# Altium PCB Quad-Stage-Prototype_V1.0.PcbDoc (part 1 of 3) (continued)
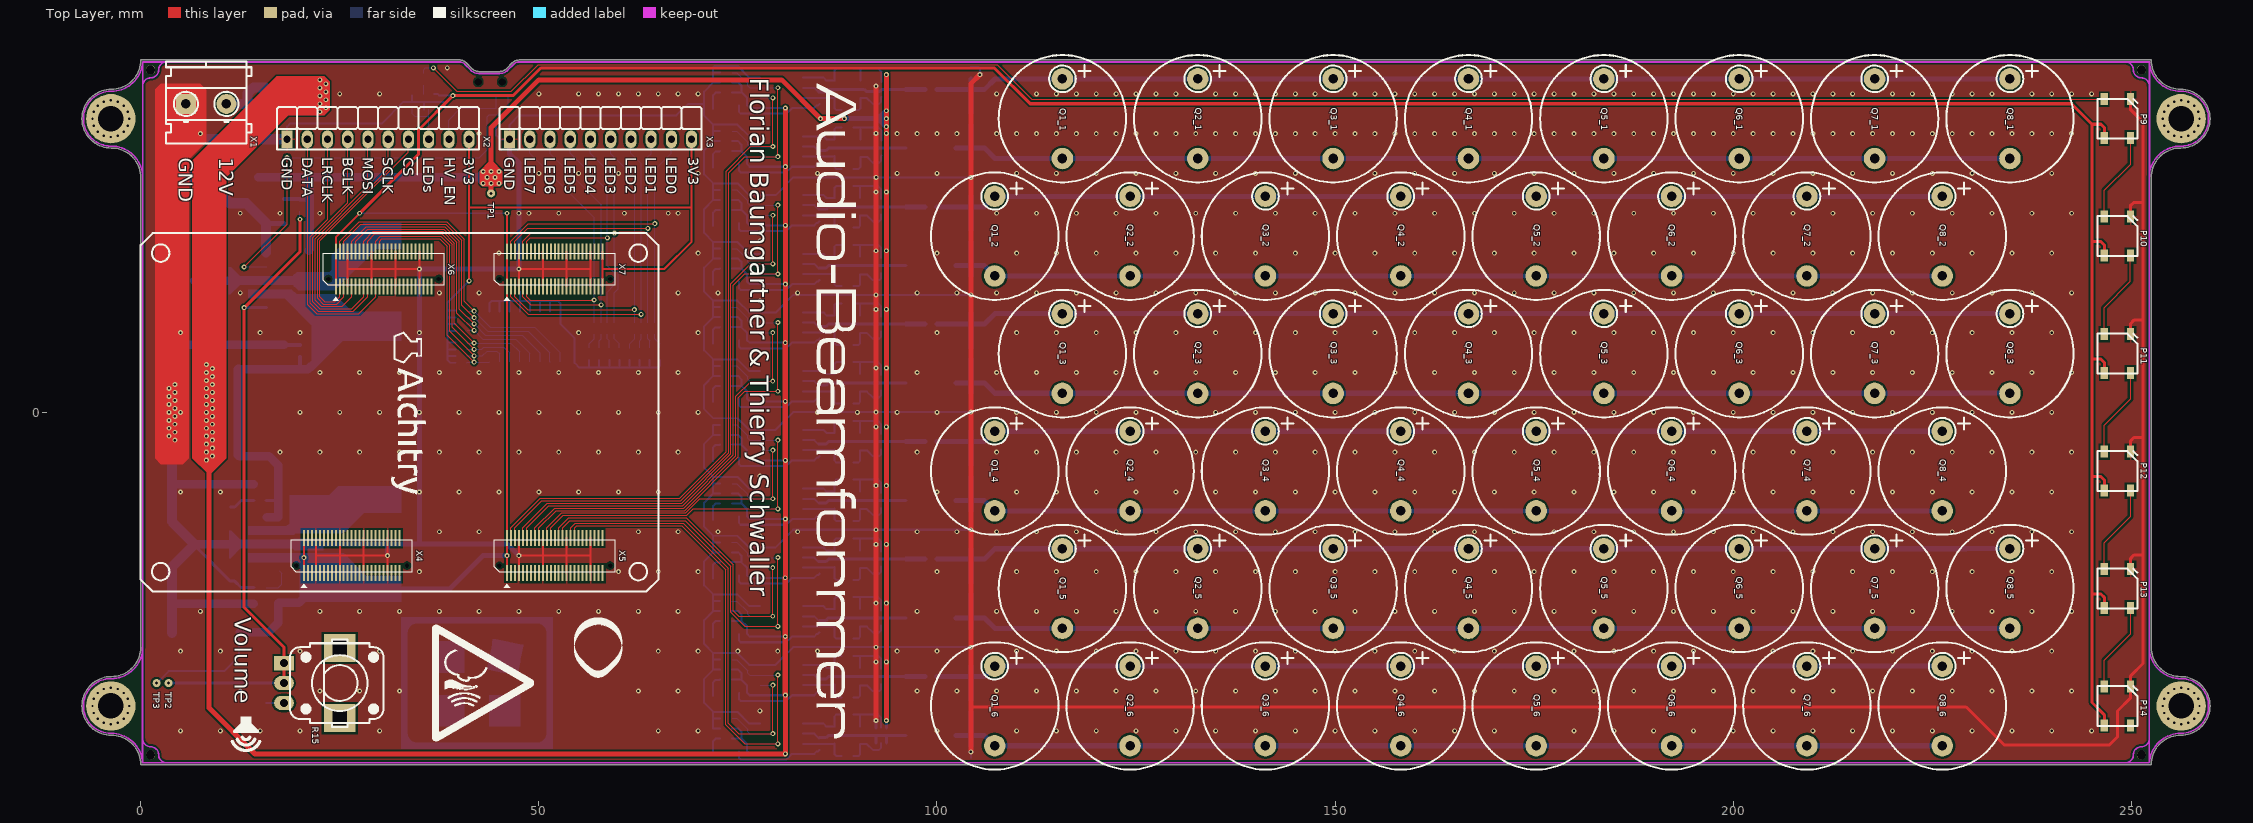
[diagram p0: Top Layer view]
## Components (designator, comment, footprint, x,y, rotation, side; value= is the part's Value field where it differs from the comment) (continued)
P14 "WS2812B" "SMD LED WS2812B-5050" 248.25,-36.875 r90 top
Q1_1 "MA40A16" "THT Transducer (MA40A16)" 115.75,36.875 r270 top locked (schematic designator Q1)
Q1_2 "MA40A16" "THT Transducer (MA40A16)" 107.25,22.125 r270 top locked (schematic designator Q1)
Q1_3 "MA40A16" "THT Transducer (MA40A16)" 115.75,7.375 r270 top locked (schematic designator Q1)
Q1_4 "MA40A16" "THT Transducer (MA40A16)" 107.25,-7.375 r270 top locked (schematic designator Q1)
Q1_5 "MA40A16" "THT Transducer (MA40A16)" 115.75,-22.125 r270 top locked (schematic designator Q1)
Q1_6 "MA40A16" "THT Transducer (MA40A16)" 107.25,-36.875 r270 top locked (schematic designator Q1)
Q2_1 "MA40A16" "THT Transducer (MA40A16)" 132.75,36.875 r270 top locked (schematic designator Q2)
Q2_2 "MA40A16" "THT Transducer (MA40A16)" 124.25,22.125 r270 top locked (schematic designator Q2)
Q2_3 "MA40A16" "THT Transducer (MA40A16)" 132.75,7.375 r270 top locked (schematic designator Q2)
Q2_4 "MA40A16" "THT Transducer (MA40A16)" 124.25,-7.375 r270 top locked (schematic designator Q2)
Q2_5 "MA40A16" "THT Transducer (MA40A16)" 132.75,-22.125 r270 top locked (schematic designator Q2)
Q2_6 "MA40A16" "THT Transducer (MA40A16)" 124.25,-36.875 r270 top locked (schematic designator Q2)
Q3_1 "MA40A16" "THT Transducer (MA40A16)" 149.75,36.875 r270 top locked (schematic designator Q3)
Q3_2 "MA40A16" "THT Transducer (MA40A16)" 141.25,22.125 r270 top locked (schematic designator Q3)
Q3_3 "MA40A16" "THT Transducer (MA40A16)" 149.75,7.375 r270 top locked (schematic designator Q3)
Q3_4 "MA40A16" "THT Transducer (MA40A16)" 141.25,-7.375 r270 top locked (schematic designator Q3)
Q3_5 "MA40A16" "THT Transducer (MA40A16)" 149.75,-22.125 r270 top locked (schematic designator Q3)
Q3_6 "MA40A16" "THT Transducer (MA40A16)" 141.25,-36.875 r270 top locked (schematic designator Q3)
Q4_1 "MA40A16" "THT Transducer (MA40A16)" 166.75,36.875 r270 top locked (schematic designator Q4)
Q4_2 "MA40A16" "THT Transducer (MA40A16)" 158.25,22.125 r270 top locked (schematic designator Q4)
Q4_3 "MA40A16" "THT Transducer (MA40A16)" 166.75,7.375 r270 top locked (schematic designator Q4)
Q4_4 "MA40A16" "THT Transducer (MA40A16)" 158.25,-7.375 r270 top locked (schematic designator Q4)
Q4_5 "MA40A16" "THT Transducer (MA40A16)" 166.75,-22.125 r270 top locked (schematic designator Q4)
Q4_6 "MA40A16" "THT Transducer (MA40A16)" 158.25,-36.875 r270 top locked (schematic designator Q4)
Q5_1 "MA40A16" "THT Transducer (MA40A16)" 183.75,36.875 r270 top locked (schematic designator Q5)
Q5_2 "MA40A16" "THT Transducer (MA40A16)" 175.25,22.125 r270 top locked (schematic designator Q5)
Q5_3 "MA40A16" "THT Transducer (MA40A16)" 183.75,7.375 r270 top locked (schematic designator Q5)
Q5_4 "MA40A16" "THT Transducer (MA40A16)" 175.25,-7.375 r270 top locked (schematic designator Q5)
Q5_5 "MA40A16" "THT Transducer (MA40A16)" 183.75,-22.125 r270 top locked (schematic designator Q5)
Q5_6 "MA40A16" "THT Transducer (MA40A16)" 175.25,-36.875 r270 top locked (schematic designator Q5)
Q6_1 "MA40A16" "THT Transducer (MA40A16)" 200.75,36.875 r270 top locked (schematic designator Q6)
Q6_2 "MA40A16" "THT Transducer (MA40A16)" 192.25,22.125 r270 top locked (schematic designator Q6)
Q6_3 "MA40A16" "THT Transducer (MA40A16)" 200.75,7.375 r270 top locked (schematic designator Q6)
Q6_4 "MA40A16" "THT Transducer (MA40A16)" 192.25,-7.375 r270 top locked (schematic designator Q6)
Q6_5 "MA40A16" "THT Transducer (MA40A16)" 200.75,-22.125 r270 top locked (schematic designator Q6)
Q6_6 "MA40A16" "THT Transducer (MA40A16)" 192.25,-36.875 r270 top locked (schematic designator Q6)
Q7_1 "MA40A16" "THT Transducer (MA40A16)" 217.75,36.875 r270 top locked (schematic designator Q7)
Q7_2 "MA40A16" "THT Transducer (MA40A16)" 209.25,22.125 r270 top locked (schematic designator Q7)
Q7_3 "MA40A16" "THT Transducer (MA40A16)" 217.75,7.375 r270 top locked (schematic designator Q7)
Q7_4 "MA40A16" "THT Transducer (MA40A16)" 209.25,-7.375 r270 top locked (schematic designator Q7)
Q7_5 "MA40A16" "THT Transducer (MA40A16)" 217.75,-22.125 r270 top locked (schematic designator Q7)
Q7_6 "MA40A16" "THT Transducer (MA40A16)" 209.25,-36.875 r270 top locked (schematic designator Q7)
Q8_1 "MA40A16" "THT Transducer (MA40A16)" 234.75,36.875 r270 top locked (schematic designator Q8)
Q8_2 "MA40A16" "THT Transducer (MA40A16)" 226.25,22.125 r270 top locked (schematic designator Q8)
Q8_3 "MA40A16" "THT Transducer (MA40A16)" 234.75,7.375 r270 top locked (schematic designator Q8)
Q8_4 "MA40A16" "THT Transducer (MA40A16)" 226.25,-7.375 r270 top locked (schematic designator Q8)
Q8_5 "MA40A16" "THT Transducer (MA40A16)" 234.75,-22.125 r270 top locked (schematic designator Q8)
Q8_6 "MA40A16" "THT Transducer (MA40A16)" 226.25,-36.875 r270 top locked (schematic designator Q8)
R1 "10k" "SMD Widerstand Array 4-Fach 0603" 40.25,7.5 r270 bottom
R2 "10k" "SMD Widerstand Array 4-Fach 0603" 40.25,11.5 r270 bottom
R3 "330" "SMD Widerstand Array 4-Fach 0603" 63.29,10.525 r180 bottom
R4 "330" "SMD Widerstand Array 4-Fach 0603" 58.21,10.525 r180 bottom
R5_1 "10" "SMD Widerstand 0603" 73.503,32.796 r0 bottom (schematic designator R5)
R5_2 "10" "SMD Widerstand 0603" 73.5,18.051 r0 bottom (schematic designator R5)
R5_3 "10" "SMD Widerstand 0603" 73.496,3.321 r0 bottom (schematic designator R5)
R5_4 "10" "SMD Widerstand 0603" 73.5,-11.449 r0 bottom (schematic designator R5)
R5_5 "10" "SMD Widerstand 0603" 73.496,-26.204 r0 bottom (schematic designator R5)
R5_6 "10" "SMD Widerstand 0603" 73.5,-40.949 r0 bottom (schematic designator R5)
R6_1 "10" "SMD Widerstand 0603" 88.753,30.583 r180 bottom (schematic designator R6)
R6_2 "10" "SMD Widerstand 0603" 88.75,15.837 r180 bottom (schematic designator R6)
R6_3 "10" "SMD Widerstand 0603" 88.746,1.108 r180 bottom (schematic designator R6)
R6_4 "10" "SMD Widerstand 0603" 88.75,-13.662 r180 bottom (schematic designator R6)
R6_5 "10" "SMD Widerstand 0603" 88.746,-28.417 r180 bottom (schematic designator R6)
R6_6 "10" "SMD Widerstand 0603" 88.75,-43.162 r180 bottom (schematic designator R6)
R7_1 "10" "SMD Widerstand 0603" 88.753,35.783 r180 bottom (schematic designator R7)
R7_2 "10" "SMD Widerstand 0603" 88.75,21.037 r180 bottom (schematic designator R7)
R7_3 "10" "SMD Widerstand 0603" 88.746,6.307 r180 bottom (schematic designator R7)
R7_4 "10" "SMD Widerstand 0603" 88.75,-8.463 r180 bottom (schematic designator R7)
R7_5 "10" "SMD Widerstand 0603" 88.746,-23.218 r180 bottom (schematic designator R7)
R7_6 "10" "SMD Widerstand 0603" 88.75,-37.963 r180 bottom (schematic designator R7)
R8_1 "10" "SMD Widerstand 0603" 73.503,40.174 r0 bottom (schematic designator R8)
R8_2 "10" "SMD Widerstand 0603" 73.5,25.429 r0 bottom (schematic designator R8)
R8_3 "10" "SMD Widerstand 0603" 73.496,10.699 r0 bottom (schematic designator R8)
R8_4 "10" "SMD Widerstand 0603" 73.5,-4.071 r0 bottom (schematic designator R8)
R8_5 "10" "SMD Widerstand 0603" 73.496,-18.826 r0 bottom (schematic designator R8)
R8_6 "10" "SMD Widerstand 0603" 73.5,-33.571 r0 bottom (schematic designator R8)
R9_1 "0" "SMD Widerstand 0603" 99.253,40.557 r0 bottom (schematic designator R9)
R9_2 "0" "SMD Widerstand 0603" 99.25,25.812 r0 bottom (schematic designator R9)
R9_3 "0" "SMD Widerstand 0603" 99.246,11.082 r0 bottom (schematic designator R9)
R9_4 "0" "SMD Widerstand 0603" 99.25,-3.688 r0 bottom (schematic designator R9)
R9_5 "0" "SMD Widerstand 0603" 99.246,-18.443 r0 bottom (schematic designator R9)
R9_6 "0" "SMD Widerstand 0603" 99.25,-33.188 r0 bottom (schematic designator R9)
R10_1 "10" "SMD Widerstand 0603" 88.753,37.958 r180 bottom (schematic designator R10)
R10_2 "10" "SMD Widerstand 0603" 88.75,23.212 r180 bottom (schematic designator R10)
R10_3 "10" "SMD Widerstand 0603" 88.746,8.483 r180 bottom (schematic designator R10)
R10_4 "10" "SMD Widerstand 0603" 88.75,-6.288 r180 bottom (schematic designator R10)
R10_5 "10" "SMD Widerstand 0603" 88.746,-21.043 r180 bottom (schematic designator R10)
R10_6 "10" "SMD Widerstand 0603" 88.75,-35.788 r180 bottom (schematic designator R10)
R11_1 "10k" "SMD Widerstand 0603" 73.503,35.296 r0 bottom (schematic designator R11)
R11_2 "10k" "SMD Widerstand 0603" 73.5,20.551 r0 bottom (schematic designator R11)
R11_3 "10k" "SMD Widerstand 0603" 73.496,5.821 r0 bottom (schematic designator R11)
R11_4 "10k" "SMD Widerstand 0603" 73.5,-8.949 r0 bottom (schematic designator R11)
R11_5 "10k" "SMD Widerstand 0603" 73.496,-23.704 r0 bottom (schematic designator R11)
R11_6 "10k" "SMD Widerstand 0603" 73.5,-38.449 r0 bottom (schematic designator R11)
R12_1 "10k" "SMD Widerstand 0603" 73.503,42.674 r0 bottom (schematic designator R12)
R12_2 "10k" "SMD Widerstand 0603" 73.5,27.929 r0 bottom (schematic designator R12)
R12_3 "10k" "SMD Widerstand 0603" 73.496,13.199 r0 bottom (schematic designator R12)
R12_4 "10k" "SMD Widerstand 0603" 73.5,-1.571 r0 bottom (schematic designator R12)
R12_5 "10k" "SMD Widerstand 0603" 73.496,-16.326 r0 bottom (schematic designator R12)
R12_6 "10k" "SMD Widerstand 0603" 73.5,-31.071 r0 bottom (schematic designator R12)
R13_1 "10" "SMD Widerstand 0603" 88.753,43.158 r180 bottom (schematic designator R13)
R13_2 "10" "SMD Widerstand 0603" 88.75,28.412 r180 bottom (schematic designator R13)
R13_3 "10" "SMD Widerstand 0603" 88.746,13.682 r180 bottom (schematic designator R13)
R13_4 "10" "SMD Widerstand 0603" 88.75,-1.088 r180 bottom (schematic designator R13)
R13_5 "10" "SMD Widerstand 0603" 88.746,-15.843 r180 bottom (schematic designator R13)
R13_6 "10" "SMD Widerstand 0603" 88.75,-30.588 r180 bottom (schematic designator R13)
R14 "33k" "SMD Widerstand 0603" 20,26 r90 bottom
R15 "10k" "THT Potentiometer (RK09D1130C2P)" 25,-34 r270 top
R16 "1k" "SMD Widerstand 0603" 44.625,37.4 r90 bottom
R17 "1k" "SMD Widerstand 0603" 15,-36.5 r0 bottom
R18 "10k" "SMD Widerstand 0603" 15,-22 r0 bottom
R19 "120" "SMD Widerstand 0603" 35.55,41.825 r270 bottom
R20 "10k" "SMD Widerstand 0603" 34.1,39 r270 bottom
S1 "A6H-8101" "SMD DIP-SWITCH 8-POS" 48.25,9.5 r0 bottom
S2 "PCM12SMTR" "SMD SWITCH SPDT (PCM12SMTR)" 43.9,41.5 r180 bottom
TP1 "X-TP" "THT Testpunkt Ø1mm" 44,27.5 r180 bottom
TP2 "X-TP" "THT Testpunkt Ø1mm" 3.5,-34 r180 bottom
TP3 "X-TP" "THT Testpunkt Ø1mm" 2,-34 r180 bottom (schematic designator TP4)
U1_1 "LM5109B" "SMD IC SOIC-8" 80.503,32.746 r270 bottom (schematic designator U1)
U1_2 "LM5109B" "SMD IC SOIC-8" 80.5,18.001 r270 bottom (schematic designator U1)
U1_3 "LM5109B" "SMD IC SOIC-8" 80.496,3.271 r270 bottom (schematic designator U1)
U1_4 "LM5109B" "SMD IC SOIC-8" 80.5,-11.499 r270 bottom (schematic designator U1)
U1_5 "LM5109B" "SMD IC SOIC-8" 80.496,-26.254 r270 bottom (schematic designator U1)
U1_6 "LM5109B" "SMD IC SOIC-8" 80.5,-40.999 r270 bottom (schematic designator U1)
U2_1 "LM5109B" "SMD IC SOIC-8" 80.503,40.12 r270 bottom (schematic designator U2)
U2_2 "LM5109B" "SMD IC SOIC-8" 80.5,25.375 r270 bottom (schematic designator U2)
U2_3 "LM5109B" "SMD IC SOIC-8" 80.496,10.645 r270 bottom (schematic designator U2)
U2_4 "LM5109B" "SMD IC SOIC-8" 80.5,-4.125 r270 bottom (schematic designator U2)
U2_5 "LM5109B" "SMD IC SOIC-8" 80.496,-18.88 r270 bottom (schematic designator U2)
U2_6 "LM5109B" "SMD IC SOIC-8" 80.5,-33.625 r270 bottom (schematic designator U2)
U3 "XL6019" "SMD IC TO-263-5" 10.1,16.55 r0 bottom
U4 "XL2596S-5.0E1" "SMD IC TO-263-5" 10.125,-16.55 r0 bottom
U5 "SN74LVC1G17" "SMD IC SOT-363 (SC-70-5)" 36.2,39 r90 bottom
X1 "X-Klemme (2-Pol)" "THT Schraubklemme 2-Pol (WJ500V-5.08-2P)" 8.225,38.735 r0 top locked
X2 "Stiftleiste (10-Fach)" "THT Pin-Header 10x1 (90°)" 29.815,34.29 r0 top locked
X3 "Stiftleiste (10-Fach)" "THT Pin-Header 10x1 (90°)" 57.755,34.29 r0 top
X4 "1661" "SMD Connector (1661)" 26.5,-18 r90 top locked
X5 "1661" "SMD Connector (1661)" 52,-18 r90 top locked
X6 "1661" "SMD Connector (1661)" 30.5,18 r90 top locked
X7 "1661" "SMD Connector (1661)" 52,18 r90 top locked

## Footprints (in the part's own frame and the unit in brackets; to place one, negate y for a bottom-side part, rotate by r counter-clockwise, add the part's x,y. Pads: shape width x height; smd on the part's side, far side on the other; paste and mask are expansions set on the pad)
"SMD Connector (1661)" [mm] "SMD_LED_RED"
  rect 2x0.25 smd: 1(-2.2,6) 2(-2.2,5.5) 3(-2.2,5) 4(-2.2,4.5) 5(-2.2,4) 6(-2.2,3.5) 7(-2.2,3) 8(-2.2,2.5) 9(-2.2,2) 10(-2.2,1.5) 11(-2.2,1) 12(-2.2,0.5) 13(-2.2,0) 14(-2.2,-0.5) 15(-2.2,-1) 16(-2.2,-1.5) 17(-2.2,-2) 18(-2.2,-2.5) 19(-2.2,-3) 20(-2.2,-3.5) 21(-2.2,-4) 22(-2.2,-4.5) 23(-2.2,-5) 24(-2.2,-5.5) 25(-2.2,-6) 26(2.2,-6) 27(2.2,-5.5) 28(2.2,-5) 29(2.2,-4.5) 30(2.2,-4) 31(2.2,-3.5) 32(2.2,-3) 33(2.2,-2.5) 34(2.2,-2) 35(2.2,-1.5) 36(2.2,-1) 37(2.2,-0.5) 38(2.2,0) 39(2.2,0.5) 40(2.2,1) 41(2.2,1.5) 42(2.2,2) 43(2.2,2.5) 44(2.2,3) 45(2.2,3.5) 46(2.2,4) 47(2.2,4.5) 48(2.2,5) 49(2.2,5.5) 50(2.2,6)
  round 0 hole 0.55: NC(-1.25,6.95) NC(-1.25,-6.95)
  silkscreen extent -4,-7.6 2,7.6
"SMD Diode SOD-123" [mm] "SM LED; 2 Flat Leads"
  rect 1x1.2 smd: A(1.62,0) K(-1.62,0)
  silkscreen extent -1.4,-0.9 1.4,0.87, body extent -1.93,-0.85 1.92,0.85, height 1.42
"SMD DIODE TO-277" [mm] "SM LED; 2 Flat Leads"
  rect 1.4x1.4 smd: A(-3.805,-1.04) A(-3.805,1.04)
  rect 4.72x4.8 smd: K(0,0)
  silkscreen extent -3.93,-2.02 1.33,2.02, body extent -4.4,-2.37 2.25,2.37, height 1.2
"SMD DIP-SWITCH 8-POS" [mm]
  rect 0.8x1.4 smd: 1(-4.445,-3.15) 2(-3.175,-3.15) 3(-1.905,-3.15) 4(-0.635,-3.15) 5(0.635,-3.15) 6(1.905,-3.15) 7(3.175,-3.15) 8(4.445,-3.15) 9(4.445,3.15) 10(3.175,3.15) 11(1.905,3.15) 12(0.635,3.15) 13(-0.635,3.15) 14(-1.905,3.15) 15(-3.175,3.15) 16(-4.445,3.15)
  silkscreen extent -5.7,-2.25 5.7,2.25, body extent -5.7,-3.35 5.69,3.35, height 1.55
"SMD ELKO 10.0X10.0" [mm]
  rect 5x2.2 smd: M(4.2,0) P(-4.2,0)
  silkscreen extent -5.5,-5.5 5,5, body extent -5.85,-5.15 5.85,5.15, height 10.3
"SMD ELKO 12.5X13.5" [mm]
  rect 5.5x2.5 smd: M(5.5,0) P(-5.5,0)
  silkscreen extent -7.25,-7.25 6.75,6.75, body extent -7.45,-6.75 7.45,6.75, height 13.5
"SMD IC SOIC-8" [mm]
  oval 0.6x2.2 smd: 1(1.905,2.7) 2(0.635,2.7) 3(-0.635,2.7) 4(-1.905,2.7) 5(-1.905,-2.7) 6(-0.635,-2.7) 7(0.635,-2.7) 8(1.905,-2.7)
  silkscreen extent -2.52,-2 2.48,2, body extent -2.52,-3.12 2.48,3.12, height 1.75
"SMD IC SOT-363 (SC-70-5)" [mm]
  rect 0.6x0.4 smd: 1(-0.95,0.65) 2(-0.95,0) 3(-0.95,-0.65) 4(0.95,-0.65) 5(0.95,0.65)
  silkscreen extent -0.8,-1.05 0.63,1.4, body extent -1.15,-1.05 1.15,1.05, height 1
"SMD IC SOT-363 (SC-70-6)" [mm]
  rect 0.6x0.4 smd: 1(0.95,-0.65) 2(0.95,0) 3(0.95,0.65) 4(-0.95,0.65) 5(-0.95,0) 6(-0.95,-0.65)
  silkscreen extent -0.63,-1.4 0.8,1.05, body extent -1.05,-1 1.05,1, height 0.92
"SMD IC TO-263-5" [mm]
  rect 4.6x1.1 smd: 1(5.725,-3.4) 2(5.725,-1.7) 3(5.725,0) 4(5.725,1.7) 5(5.725,3.4)
  rect 9.4x10.8 smd: 3(-3.375,0)
  silkscreen extent 1.47,-5.5 7.98,5.5, body extent -7.83,-5 7.84,5, height 4.78
"SMD Inductor 7x7x4.5" [mm]
  rect 1.5x2.2 smd: 1(-3.15,0) 2(3.15,0)
  silkscreen extent -3.5,-3.5 3.5,3.5, body extent -3.6,-3.5 3.6,3.5, height 4.61
"SMD Inductor 7x7x4.5 NP" [mm]
  rect 1.5x2.2 smd: 1(-3.15,0) 2(3.15,0)
  silkscreen extent -3.5,-3.5 3.5,3.5
"SMD Inductor 13.8x12.6x6.5" [mm]
  rect 3.25x4.5 smd: 1(-5.625,0) 2(5.625,0)
  silkscreen extent -6.5,-6.3 6.5,6.3, body extent -6.45,-6.15 6.4,6.35, height 6.35
"SMD Keramikkondensator 0603" [mil]
  rect 25x35 smd: 1(-30,0) 2(30,0)
  silkscreen extent -30,-15 30,15, body extent -31,-16 31,16, height 32
"SMD Keramikkondensator 1206" [mil]
  rect 45x70 smd: 1(-60,0) 2(60,0)
  silkscreen extent -60,-30 60,30, body extent -63,-31 63,31, height 39
"SMD LED 0603" [mm] "SMD_LED_RED"
  rect 0.8x0.8 smd: A(-0.75,0) K(0.75,0)
  silkscreen extent -0.8,-0.4 0.8,0.4, body extent -0.81,-0.37 0.84,0.36, height 0.68
"SMD LED WS2812B-5050" [mm] "SMD_LED_RED"
  rect 1.5x0.9 smd: 1(-2.45,1.65) 2(-2.45,-1.65) 3(2.45,-1.65) 4(2.45,1.65)
  silkscreen extent -2.5,-2.5 2.5,2.5, body extent -2.67,-2.47 2.68,2.48, height 1.7
"SMD SWITCH SPDT (PCM12SMTR)" [mm]
  rect 0.7x1.5 smd: 1(2.25,-1.75) 2(-0.75,-1.75) 3(-2.25,-1.75)
  rect 1x0.8 smd: NC(-3.65,-0.965) NC(-3.65,0.965) NC(3.65,-0.965) NC(3.65,0.965)
  round 0 hole 0.9 unplated: NC(-1.5,0) NC(1.5,0)
  silkscreen extent -3.2,-1.3 3.2,2.3, body extent -3.67,-2.23 3.68,2.34, height 1.4
"SMD Widerstand 0603" [mil]
  rect 25x35 smd: 1(-30,0) 2(30,0)
  silkscreen extent -30,-15 30,15, body extent -31,-16 31,16, height 18
"SMD Widerstand Array 4-Fach 0603" [mm]
  rect 0.65x0.8 smd: 1(-1.275,-0.7) 4(1.275,-0.7) 5(1.275,0.7) 8(-1.275,0.7)
  rect 0.5x0.8 smd: 2(-0.4,-0.7) 3(0.4,-0.7) 6(0.4,0.7) 7(-0.4,0.7)
  silkscreen extent -1.6,-0.8 1.6,0.8, body extent -1.6,-0.8 1.6,0.8, height 0.51
"THT Pin-Header 10x1 (90°)" [mm]
  rect 1.4x2.2 hole 0.9: 1(-11.43,0)
  oval 1.4x2.2 hole 0.9: 2(-8.89,0) 3(-6.35,0) 4(-3.81,0) 5(-1.27,0) 6(1.27,0) 7(3.81,0) 8(6.35,0) 9(8.89,0) 10(11.43,0)
  silkscreen extent -12.7,-1.27 12.7,4.06, body extent -12.7,-0.38 12.7,9.98, height 2.54
"THT Potentiometer (RK09D1130C2P)" [mm] "Capacitor, Electrolytic, Radial; Body 5 x 5 mm (Dia.xH typ); Pin Spacing 2 mm (typ)"
  rect 1.8x2.5 hole 1: CCW(-2.5,-7)
  oval 1.8x2.5 hole 1: CW(2.5,-7) M(0,-7)
  rect 3.5x4 hole 1.8 square: NC(-4.4,0) NC(4.4,0)
  silkscreen extent -5.5,-6.25 5.5,5.5, body extent -5.7,-7.15 5.7,5.5, height 19.55
"THT Schraubklemme 2-Pol (WJ500V-5.08-2P)" [mm]
  rect 2.5x2.5 hole 1.2: 1(-2.54,0)
  round 2.5 hole 1.2: 2(2.54,0)
  silkscreen extent -5.05,-5 5.7,5.3, body extent -5.07,-5 5.69,5.3, height 14.24
"THT Testpunkt Ø1mm" [mm]
  round 1 hole 0.4: 1(0,0)
"THT Transducer (MA40A16)" [mm] "Capacitor, Electrolytic, Radial; Body 5 x 5 mm (Dia.xH typ); Pin Spacing 2 mm (typ)"
  round 2.7 hole 1.2: 1(-5,0) 2(5,0)
  silkscreen extent -8,-8 8,8, body extent -8.1,-8.1 8.1,8.1, height 12

## Part data
C1_1 C1_2 C1_3 C1_4 C1_5 C1_6 C6_1 C6_2 C6_3 C6_4 C6_5 C6_6 C10 C15 C18: library part C-CAPACITOR, "CAP-MK", Component Value="1µF 50V", JLC-Parts=C15849, Component Description="Multilayer Ceramic Capacitors", Digikey=1276-1860-1-ND, Farnell=3013383, Mouser=187-CL10A105KB8NNNC, Unit Price=0.01
C2_1 C2_2 C2_3 C2_4 C2_5 C2_6 C7_1 C7_2 C7_3 C7_4 C7_5 C7_6: library part C-CAPACITOR, "CAP-MK", Component Value="100nF 50V", JLC-Parts=C14663, Component Description="Multilayer Ceramic Capacitors", Digikey=445-5666-1-ND, Farnell=2522432, Mouser=77-VJ0603V104ZXAPBC, Unit Price=0.01
C3_1 C3_2 C3_3 C3_4 C3_5 C3_6 C4_1 C4_2 C4_3 C4_4 C4_5 C4_6 C5_1 C5_2 C5_3 C5_4 C5_5 C5_6: library part C-CAPACITOR, "CAP-MK", Component Description="Multilayer Ceramic Capacitors", Component Value=NP
C8 C13 C17: library part C-ELCAP, "CAP-Elko", Component Value="470µF 25V", JLC-Parts=C176672, Component Description="Electrolytic Capacitor", Mouser=140-VEJ471M1ETR1010, Unit Price=0.17
C9 C14 C16: library part C-CAPACITOR, "CAP-MK", Component Value="10µF 50V", JLC-Parts=C13585, Component Description="Multilayer Ceramic Capacitors", Digikey=445-7886-1-ND, Farnell=2211092, Mouser=810-CGA5L3X5R1H106K, Unit Price=0.27
C11: library part C-CAPACITOR, "CAP-MK", Component Value="1µF 100V", JLC-Parts=C91151, Component Description="Multilayer Ceramic Capacitors", Digikey=720-VJ1206Y104MXBATCT-ND, Farnell=1657939, Mouser=77-VJ1206Y104MXBAT, Unit Price=0.01
C12: library part C-ELCAP, "CAP-Elko", Component Value="220µF 63V", JLC-Parts=C249502, Component Description="Electrolytic Capacitor", Unit Price=0.42
D1 D8 D9: library part R-DIODE:SCHKY, "S-DIODE", JLC-Parts=C2693399, Component Description="Low Voltage Schottky-Diode", Component Value=SP1060L, ComponentLink1Description=Datasheet, ComponentLink1URL=https://datasheet.lcsc.com/lcsc/2103051837_Changjiang-Electronics-Tech--CJ-SP1060L_C2693399.pdf, Unit Price=0.32
D2_1 D2_2 D2_3 D2_4 D2_5 D2_6 D3_1 D3_2 D3_3 D3_4 D3_5 D3_6 D4_1 D4_2 D4_3 D4_4 D4_5 D4_6 D5_1 D5_2 D5_3 D5_4 D5_5 D5_6 D6_1 D6_2 D6_3 D6_4 D6_5 D6_6 D7_1 D7_2 D7_3 D7_4 D7_5 D7_6: library part R-DIODE, "DIODE (alt V)", Component Value=1N4148WTR, JLC-Parts=C81598, Component Description="Fast Switching Diode", ComponentLink1Description=Datasheet, ComponentLink1URL=https://datasheet.lcsc.com/lcsc/1811061725_ST-Semtech-1N4148W_C81598.pdf, Digikey=1655-1360-1-ND, Farnell=2306363, Mouser=750-1N4148W-HF, Unit Price=0.01
K1_1 K1_2 K1_3 K1_4 K1_5 K1_6 K2_1 K2_2 K2_3 K2_4 K2_5 K2_6: library part K-2N7002DW-7-F, "Dual N-Channel MOSFET", JLC-Parts=C83571, Component Description="Dual N-Channel MOSFET", Component Value=2N7002DW-7-F, ComponentLink1Description=Datasheet, ComponentLink1URL=https://datasheet.lcsc.com/lcsc/1810111020_Diodes-Incorporated-2N7002DW-7-F_C83571.pdf, Digikey=2N7002DW-FDICT-ND, Mouser=621-2N7002DW-F, Unit Price=0.35
L1_1 L1_2 L1_3 L1_4 L1_5 L1_6: library part L-COIL, "Shielded Power Inductor", Component Value="SLF7045T-681MR20-PF (680µH 270mA)", JLC-Parts=C91522, Component Description="Shielded Power Inductor", ComponentLink1Description=Datasheet, ComponentLink1URL=https://datasheet.lcsc.com/lcsc/1806061130_TDK-SLF7045T-681MR20-PF_C91522.pdf, Digikey=445-2028-1-ND, Farnell=2215732, Mouser=810-SLF7045T-681M, Unit Price=0.32
L2_1 L2_2 L2_3 L2_4 L2_5 L2_6: library part L-COIL, "Shielded Power Inductor", Component Description="Shielded Power Inductor", ComponentLink1Description=Datasheet
L3 L4: library part L-COIL, "Shielded Power Inductor", JLC-Parts=C497913, Component Description="Shielded Power Inductor", Component Value="47µH 5.0A", ComponentLink1Description=Datasheet, ComponentLink1URL=https://datasheet.lcsc.com/lcsc/2003172239_YJYCOIN-YSPI1365-470M_C497913.pdf, Digikey=118-SRP1265WA-470MCT-ND, Farnell=3929029, Mouser=652-SRP1265WA-470M, Unit Price=0.68
P1 P2 P3 P4 P5 P6 P7 P8: library part "LED Green 0603", "General Purpose LED", Component Value="Green (5mA, 2.4V)", JLC-Parts=C72043, Component Description="General Purpose LED", ComponentLink1Description=Datasheet, ComponentLink1URL=https://datasheet.lcsc.com/szlcsc/Everlight-Elec-19-217-GHC-YR1S2-3T_C72043.pdf, Digikey=350-2035-1-ND, Farnell=1465991, Mouser=645-598-8070-107F, Unit Price=0.34
P9 P10 P11 P12 P13 P14: library part P-WS2812B, "Smart RGB-LED", JLC-Parts=C2843785, aliExpress=32550663121, Component Description="Smart RGB-LED", Component Value=WS2812B, ComponentLink1Description=Datasheet, ComponentLink1URL=http://cdn.sparkfun.com/datasheets/BreakoutBoards/WS2812B.pdf, Digikey=1568-COM-16346-ND, Mouser=474-COM-16346, Unit Price=0.10
Q1_1 Q1_2 Q1_3 Q1_4 Q1_5 Q1_6: library part Q-Piezo, "Ultrasonic Transducer", Component Value="MA40A16 (40kHz, 16mm)", Component Description="Ultrasonic Transducer", ComponentLink1Description=Datasheet, Unit Price=0.40
Q2_1 Q2_2 Q2_3 Q2_4 Q2_5 Q2_6 Q3_1 Q3_2 Q3_3 Q3_4 Q3_5 Q3_6 Q4_1 Q4_2 Q4_3 Q4_4 Q4_5 Q4_6 Q5_1 Q5_2 Q5_3 Q5_4 Q5_5 Q5_6 Q6_1 Q6_2 Q6_3 Q6_4 Q6_5 Q6_6 Q7_1 Q7_2 Q7_3 Q7_4 Q7_5 Q7_6 Q8_1 Q8_2 Q8_3 Q8_4 Q8_5 Q8_6: library part Q-Piezo, "Ultrasonic Transducer", Component Value="MA40A16 (40kHz, 16mm)", JLC-Parts=C115962, Component Description="Ultrasonic Transducer", ComponentLink1Description=Datasheet, Unit Price=0.40
R1 R2: library part "R-Array Single Quad E24 - 10k", "Isolated Resistor Array", Component Value="10k (4x, 50V, 62.5mW, 5%)", JLC-Parts=C29718, Component Description="Isolated Resistor Array", ComponentLink1Description=Datasheet, ComponentLink1URL=https://datasheet.lcsc.com/lcsc/1810191515_UNI-ROYAL-Uniroyal-Elec-4D03WGJ0103T5E_C29718.pdf, Digikey=Y4103CT-ND, Farnell=2060167, Mouser=667-EXB-V8V103JV, Unit Price=0.01
R3 R4: library part "R-Array Single Quad E24 - 330", "Isolated Resistor Array", Component Value="330 (4x, 50V, 62.5mW, 5%)", JLC-Parts=C12018, Component Description="Isolated Resistor Array", ComponentLink1Description=Datasheet, ComponentLink1URL=https://datasheet.lcsc.com/lcsc/1810170717_UNI-ROYAL-Uniroyal-Elec-4D03WGJ0331T5E_C12018.pdf, Digikey=Y4331CT-ND, Farnell=2060160, Mouser=667-EXB-V8V331JV, Unit Price=0.01
R5_1 R5_2 R5_3 R5_4 R5_5 R5_6 R6_1 R6_2 R6_3 R6_4 R6_5 R6_6 R7_1 R7_2 R7_3 R7_4 R7_5 R7_6 R8_1 R8_2 R8_3 R8_4 R8_5 R8_6 R10_1 R10_2 R10_3 R10_4 R10_5 R10_6 R13_1 R13_2 R13_3 R13_4 R13_5 R13_6: library part R-RESISTOR, "RES (E=Heizwiderstand B=Messwandler)", Component Value="10 (75V, 100mW, 1%)", JLC-Parts=C22859, Component Description="Thick Film Chip Resistor", Digikey=P10.0HCT-ND, Farnell=2302958, Mouser=667-ERJ-3EKF10R0V, Unit Price=0.01
R9_1 R9_2 R9_3 R9_4 R9_5 R9_6: library part R-RESISTOR, "RES (E=Heizwiderstand B=Messwandler)", Component Value="0 (75V, 100mW, 1%)", JLC-Parts=C21189, Component Description="Thick Film Chip Resistor", Digikey=311-0.0GRCT-ND, Farnell=9233130, Mouser=603-RC0603JR-070RL, Unit Price=0.01
R11_1 R11_2 R11_3 R11_4 R11_5 R11_6 R12_1 R12_2 R12_3 R12_4 R12_5 R12_6 R18 R20: library part R-RESISTOR, "RES (E=Heizwiderstand B=Messwandler)", Component Value="10k (75V, 100mW, 1%)", JLC-Parts=C25804, Component Description="Thick Film Chip Resistor", Digikey=P10.0KHCT-ND, Farnell=2303192, Mouser=667-ERJ-3EKF1002V, Unit Price=0.01
R14: library part R-RESISTOR, "RES (E=Heizwiderstand B=Messwandler)", Component Value="33k (75V, 100mW, 1%)", JLC-Parts=C4216, Component Description="Thick Film Chip Resistor", Digikey=P33.0KHCT-ND, Farnell=2303204, Mouser=667-ERJ-3EKF3302V, Unit Price=0.01
R15: library part R-RES:VAR, "RES-VAR", Component Value="RK09D1130C2P (10k)", JLC-Parts=C361173, Component Description=Potentiometer, ComponentLink1Description=Datasheet, ComponentLink1URL=https://tech.alpsalpine.com/prod/e/html/potentiometer/rotarypotentiometers/rk09k/rk09d1130c2p.html, Mouser=688-RK09D1130C2P, Unit Price=0.90
R16 R17: library part R-RESISTOR, "RES (E=Heizwiderstand B=Messwandler)", Component Value="1k (75V, 100mW, 1%)", JLC-Parts=C21190, Component Description="Thick Film Chip Resistor", Digikey=P1.00KHCT-ND, Farnell=2397690, Mouser=667-ERJ-3EKF1001V, Unit Price=0.01
R19: library part "E24 - 120", "SMD Chip Resistor E24", Component Value="120 (75V, 100mW, 1%)", JLC-Parts=C22787, Component Description="Chip Resistor", ComponentLink1Description=Datasheet, ComponentLink1URL=https://datasheet.lcsc.com/lcsc/1810200710_UNI-ROYAL-Uniroyal-Elec-0603WAF4701T5E_C23162.pdf, Digikey=P120HCT-ND, Farnell=2303067, Mouser=667-ERJ-3EKF1200V, Unit Price=0.01
S1: library part S-A6H-8101, "DIP-Switch 8 Positions", JLC-Parts=C89711, Component Description="DIP-Switch 8 Positions", Component Value=A6H-8101, Digikey=SW1118-ND, Farnell=8774277, Mouser=653-A6H-8101, Unit Price=2.92
S2: library part S-PCM12SMTR, "Miniature Slide Switch", Component Value="PCM12SMTR (SPDT)", aliExpress=33002042977, Component Description="Miniature Slide Switch", Digikey=401-2016-1-ND, Farnell=9575146, Mouser=611-PCM12SMTR, Unit Price=0.77
TP1 TP2 TP3: "Testpunkt", Component Value="Ø 0.8mm", Component Description=Testpunkt, Unit Price=0.00
U1_1 U1_2 U1_3 U1_4 U1_5 U1_6 U2_1 U2_2 U2_3 U2_4 U2_5 U2_6: library part U-LM5109B, "High Voltage 1A Peak Half Bridge Gate Driver", JLC-Parts=C116862, Component Description="High Voltage Gate Driver", Component Value=LM5109B, ComponentLink1Description=Datasheet, ComponentLink1URL=https://datasheet.lcsc.com/lcsc/1809172040_Texas-Instruments-LM5109AMAX-NOPB_C129332.pdf, Digikey=LM5109BMA/NOPB-ND, Farnell=3005776, Mouser=926-LM5109BMAX/NOPB, Unit Price=1.13
U3: library part U-XL6019, "High Power Switching Boost Converter", JLC-Parts=C73018, Component Description="High Power Switching Boost Converter", Component Value=XL6019, ComponentLink1Description=Datasheet, ComponentLink1URL=http://www.xlsemi.com/datasheet/XL6019%20datasheet-English.pdf, Unit Price=1.00
U4: library part U-XL2596S-5.0E1, "High Power Switching Buck Converter", JLC-Parts=C74190, Component Description="High Power Switching Buck Converter", Component Value=XL2596S-5.0E1, ComponentLink1Description=Datasheet, ComponentLink1URL=https://datasheet.lcsc.com/lcsc/1811021340_XLSEMI-XL2596S-5-0E1_C74190.pdf, Unit Price=0.58
U5: library part U-SN74LVC1G17-Q1, "Single Schmitt-Trigger Buffer", Component Value=SN74LVC1G17-Q1, JLC-Parts=C10425, Component Description="Single Schmitt-Trigger Buffer", ComponentLink1Description=Datasheet, ComponentLink1URL=https://datasheet.lcsc.com/lcsc/1809192011_Texas-Instruments-SN74LVC1G17DCKR_C10425.pdf, Digikey=296-23709-1-ND, Farnell=2499832, Mouser=595-74LVC1G17QDCKRQ1, Unit Price=0.36
X1: Component Value="WJ500V-5.08-2P (2-Pol, 250V, 8A, 5.08mm)", JLC-Parts=C8465, Component Description="Screw Terminal", ComponentLink1Description=Datasheet, ComponentLink1URL=https://datasheet.lcsc.com/lcsc/1912251636_Ningbo-Kangnex-Elec-WJ500V-5-08-2P_C8465.pdf, Unit Price=0.08
X2 X3: library part "X-Stiftleiste (10-Fach)", Component Value=10-Pol, Component Description="Pin Header", Digikey=952-2250-ND, Farnell=3756366, Mouser=855-M20-9961045, Unit Price=0.55
X4 X5 X6 X7: library part X-4UCON_1661, "Board-to-Board Connector (Receptacle)", Component Value="PRT-16890 (1661)", Component Description="Board-to-Board Connector (Receptacle)", ComponentLink1Description=Datasheet, ComponentLink1URL=http://www.4uconnector.com/online/object/4udrawing/19008.pdf, Digikey=1568-PRT-16890-ND, Mouser=474-PRT-16890, Unit Price=1.60

## Free pads (board coordinates)
  round 6.2 hole 3.2: NC(-3.75,-36.875) NC(-3.75,36.875) NC(256.25,-36.875) NC(256.25,36.875)
  round 1.152 hole 1.152 unplated paste+1.152 mask+0.148: NC(1.25,-43) NC(1.25,43) NC(251.25,-43) NC(251.25,43)

## Via types
v1: diameter 0.62, hole 0.3, Top Layer to Bottom Layer, tented both sides, 903 vias

## Nets (pads, with @x,y where several pads share a name; then routed paths per layer and width w, separated by ;. In a path a pad name is that pad's centre, name@x,y a point inside that pad or via, vN(x,y) a via of type N, cw(c..) or ccw(c..) an arc to the next point about the centre after c; other vN are vias at no path point)
3V3: R1.5 R1.6 R1.7 R1.8 R2.5 R2.6 R2.7 R2.8 X2.10 X3.10 X7.25 X7.26 | length 95.2
  Top Layer w0.25: v1(41.245,16.5) 41.245,25.75 ; X2.10@41.245,34.29 41.245,25.75 ; X7.25@58,15.8 58,18 ; X7.26@58,20.2 58,18 ; X3.10@69.185,34.29 69.185,25.75 ; 41.245,25.75 69.185,25.75 ; 58,18 65.75,18 69.185,21.435 69.185,25.75
  Bottom Layer w0.25: R1.5@39.55,6.225 38.875,6.225 38.5,6.6 38.5,7.1 ; R1.6@39.55,7.1 38.5,7.1 ; R1.7@39.55,7.9 38.5,7.9 ; R1.8@39.55,8.775 38.525,8.775 38.5,8.8 ; R2.5@39.55,10.225 38.525,10.225 38.5,10.2 ; R2.6@39.55,11.1 38.5,11.1 ; R2.7@39.55,11.9 38.5,11.9 ; R2.8@39.55,12.775 38.525,12.775 38.5,12.8 ; v1(41.245,16.5) 38.5,13.755 38.5,12.8 ; 38.5,7.1 38.5,7.9 ; 38.5,7.9 38.5,8.8 ; 38.5,8.8 38.5,10.2 ; 38.5,10.2 38.5,11.1 ; 38.5,11.1 38.5,11.9 ; 38.5,11.9 38.5,12.8
5V: C16.2 C17.P C18.2 L4.1 P9.1 P10.1 P11.1 P12.1 P13.1 P14.1 TP3.1 U4.4 U5.5 X4.1 X4.50 X5.1 X5.50 X6.1 X6.50 X7.1 X7.50 | length 465.3
  Top Layer w0.25: X4.1@20.5,-20.2 v1(20.5,-18.25) X4.50@20.5,-15.8 ; X6.1@24.5,15.8 X6.50@24.5,20.2 24.5,22 v1(27.5,25) ; X5.1@46,-20.2 v1(46,-18) X5.50@46,-15.8 X7.1@46,15.8 X7.50@46,20.2 v1(46,25)
  Top Layer w0.381: v1(27.5,25) 34.9,32.4 34.9,35.462 v1(39.2,39.762) 46.762,39.762 50.25,43.25 107.2,43.25 111.7,38.75 242.47,38.75 245.045,36.175 ; P14.1@246.6,-39.325 246.6,-37.987 245.045,-36.432 245.045,-22.825 ; P13.1@246.6,-24.575 246.6,-23.237 246.188,-22.825 245.045,-22.825 ; P12.1@246.6,-9.825 246.6,-8.487 246.188,-8.075 245.045,-8.075 ; P11.1@246.6,4.925 246.6,6.263 246.188,6.675 245.045,6.675 ; P10.1@246.6,19.675 246.6,21.013 246.188,21.425 245.045,21.425 ; P9.1@246.6,34.425 246.6,35.763 246.188,36.175 245.045,36.175 ; 245.045,-22.825 245.045,-8.075 ; 245.045,-8.075 245.045,6.675 ; 245.045,6.675 245.045,21.425 ; 245.045,21.425 245.045,36.175
  Bottom Layer w0.25: TP3.1@2,-34 3.5,-32.5 10.5,-32.5 12.325,-30.675 C17.P@12.325,-27.7 ; v1(27.5,25) v1(46,25) ; U5.5@36.85,39.95 37.35,39.95 37.527,39.773 38.189,39.773 C18.2@38.2,39.762 v1(39.2,39.762)
  Bottom Layer w0.635: L4.1@30.375,-22.175 38.825,-22.175 43,-18 v1(46,-18)
  Bottom Layer w1.067: C17.P@12.425,-27.6 16.1,-27.6 17.274,-26.426 C16.2@17.274,-24.05 17.274,-23.981 17.312,-23.943 19.857,-23.943 21.625,-22.175 ; U4.4@15.85,-18.25 v1(20.5,-18.25) 20.5,-18.841 20.511,-18.852 20.511,-19.648 20.5,-19.659 20.5,-21.55 21.125,-22.175 21.625,-22.175 ; L4.1@30.375,-22.175 21.625,-22.175